# Altium PCB Goldstrike1_Rev01.PcbDoc (part 6 of 7) (continued)
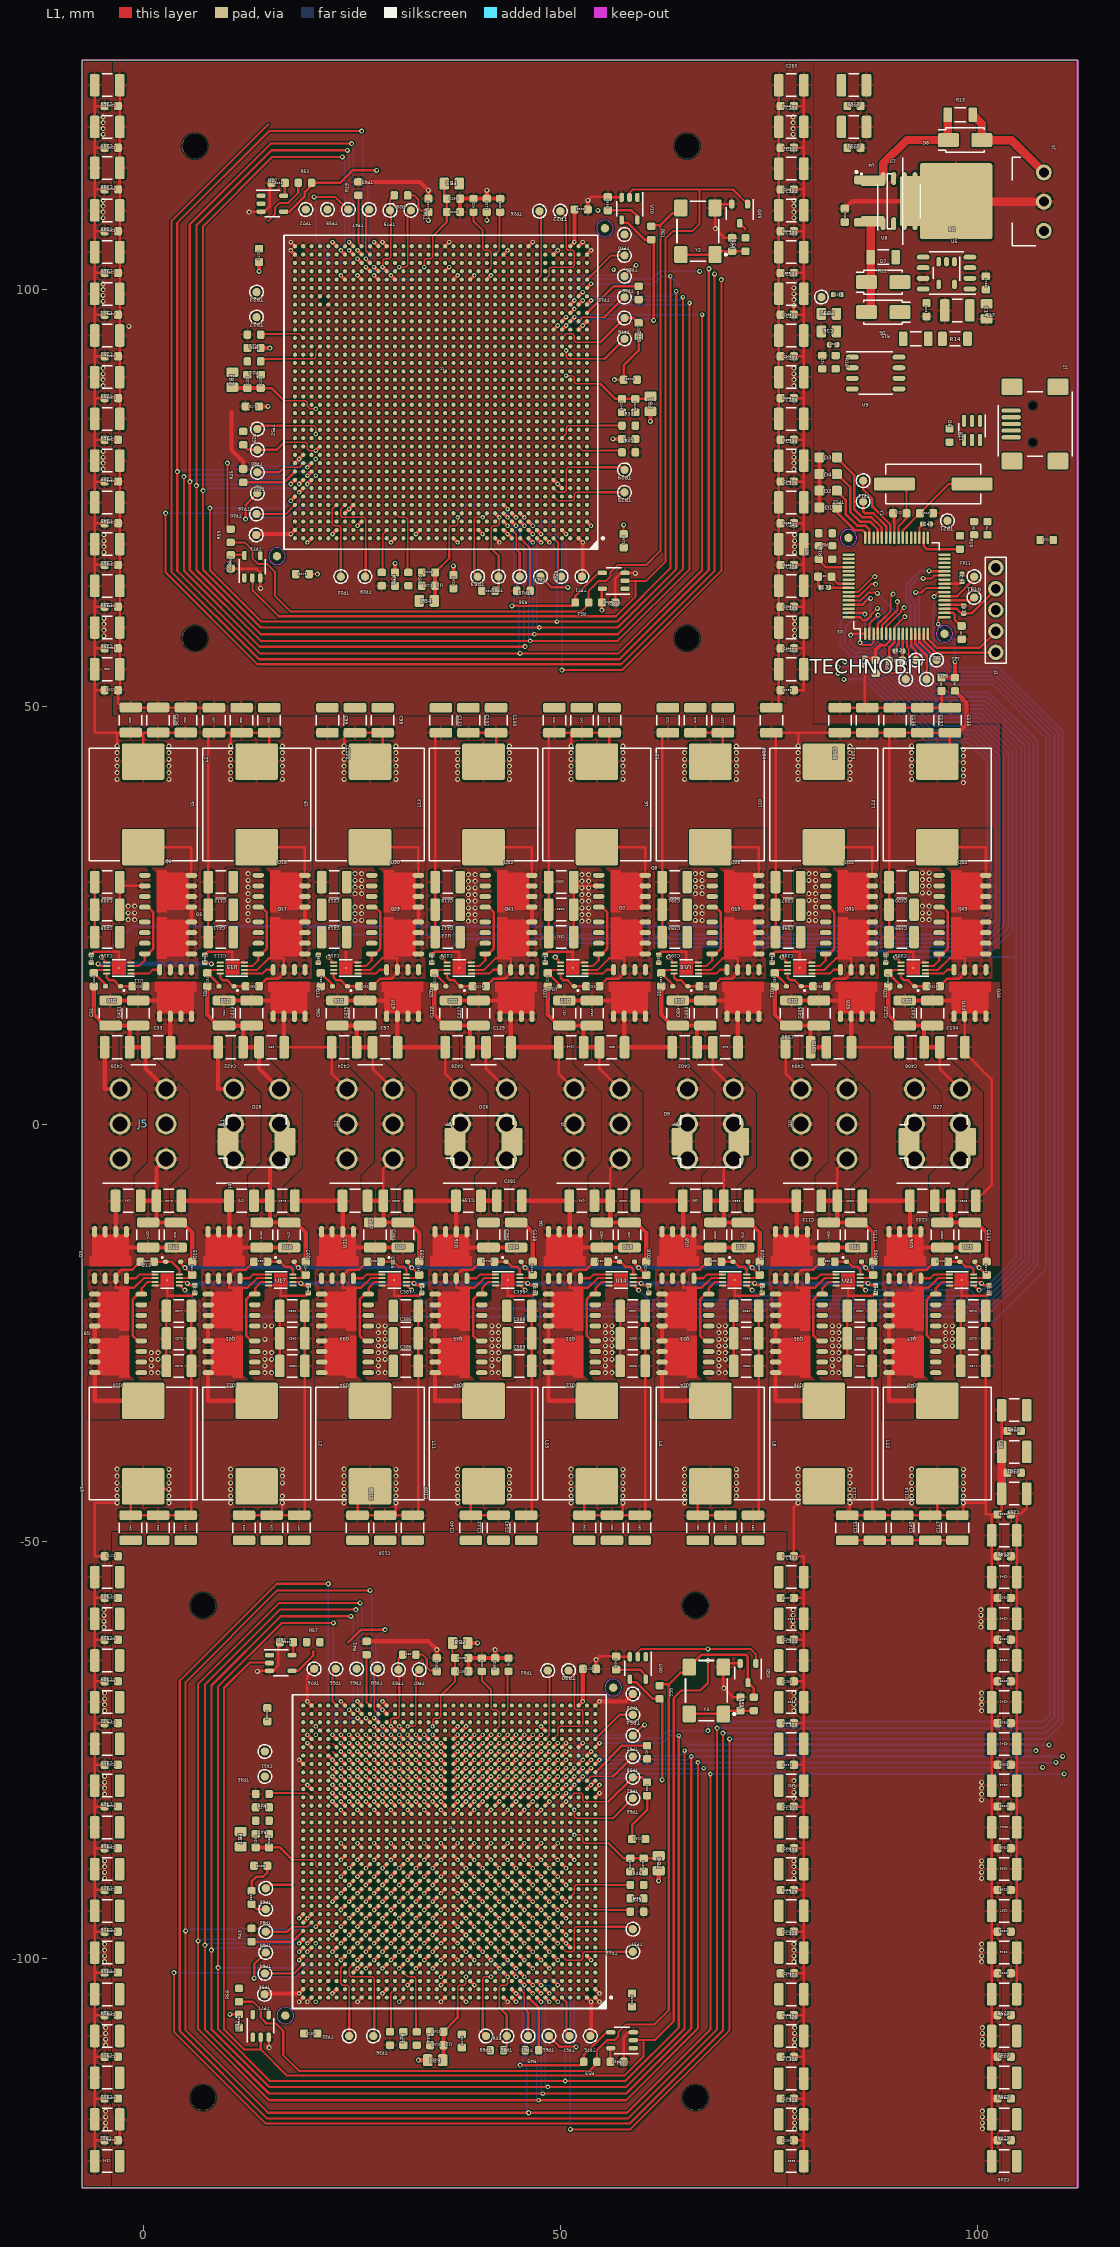
[diagram p0: L1 view]
## Nets (pads, with @x,y where several pads share a name; then routed paths per layer and width w, separated by ;. In a path a pad name is that pad's centre, name@x,y a point inside that pad or via, vN(x,y) a via of type N, cw(c..) or ccw(c..) an arc to the next point about the centre after c; other vN are vias at no path point) (continued)
  L1 w0.5: C20.1@-5.9,16.5 -5.9,13.1 -4.6,11.8 C421.1@-1.6,11.8 ; C421.1@-0.6,11.8 C421.1@-1.6,11.8 ; C43.1@-0.3,-9.2 C373.1@1.6,-9.2 ; C374.1@0.6,-11.8 C374.1@1.6,-11.8 ; J5.4@2.75,-4.2 1.6,-5.35 C373.1@1.6,-9.2 ; J5.6@2.75,4.2 0.3,6.65 C33.1@0.3,9.2 C420.1@-1.6,9.2 C421.1@-1.6,11.8 ; C22.1@5.9,-16.5 5.9,-13 4.7,-11.8 C42.1@3.9,-11.8 C374.1@1.6,-11.8 ; C52.1@7.7,16.5 7.7,13.1 ; 10.6,85.3 10.6,80.8 12,79.4 R25.2@12,78.5 ; C75.1@13.3,-9.2 C378.1@15.2,-9.2 ; C379.1@14.2,-11.8 C379.1@15.2,-11.8 ; J4.4@16.35,-4.219 15.2,-5.35 C378.1@15.2,-9.2 ; C54.1@19.5,-16.5 19.5,-13 18.3,-11.8 C74.1@17.5,-11.8 C379.1@15.2,-11.8 ; 22.6,11.781 23.3,11.8 23.3,11.781 C425.1@25.6,11.781 ; R19.2@25.8,112.9 33.2,112.9 v1(34.2,111.9) C170.1@34.2,110.9 ; C425.1@26.6,11.8 C425.1@25.6,11.781 ; R41.2@26.8,-62 34.2,-62 v1(35.2,-63) C182.1@35.2,-64 ; C107.1@26.9,-9.2 C383.1@28.8,-9.2 C384.1@28.8,-11.8 ; C97.1@27.5,9.2 C424.1@25.6,9.2 C425.1@25.6,11.781 ; C384.1@27.8,-11.8 C384.1@28.8,-11.8 ; C86.1@33.1,-16.5 33.1,-13 31.9,-11.8 C106.1@31.1,-11.8 C384.1@28.8,-11.8 ; C116.1@34.9,16.5 34.9,13.1 36.2,11.8 C427.1@39.2,11.8 ; C151.2@38,109.3 C150.2@38,110.9 C173.1@41.2,110.9 ; C159.2@39,-65.6 C158.2@39,-64 R23.2@40.6,-64 C185.1@42.2,-64 ; C427.1@40.2,11.8 C427.1@39.2,11.8 ; C139.1@40.5,-9.2 C391.1@42.4,-9.2 ; C129.1@41.1,9.2 C426.1@39.2,9.2 C427.1@39.2,11.8 ; v1(41.2,111.9) C173.1@41.2,110.9 ; v1(42.2,-63) C185.1@42.2,-64 ; R20.2@42.8,110.9 C173.1@41.2,110.9 ; R1.2@43.8,-64 C185.1@42.2,-64 ; C138.1@44.7,-11.8 45.5,-11.8 46.7,-13 C118.1@46.7,-16.5 ; C21.1@48.5,16.5 48.5,13.1 49.8,11.8 C349.1@52.8,11.8 ; C165.1@53.3,109.6 v1(53.3,110.7) ; C349.1@53.8,11.8 C349.1@52.8,11.8 ; C48.1@54.1,-9.2 C353.1@56,-9.2 C354.1@56,-11.8 ; C177.1@54.3,-65.3 v1(54.3,-64.2) ; C38.1@54.7,9.2 C348.1@52.8,9.2 C349.1@52.8,11.8 ; C354.1@55,-11.8 C354.1@56,-11.8 ; 57.8,-69.2 TP74.1@58.7,-68.3 ; C23.1@60.3,-16.5 60.3,-13 59.1,-11.8 C47.1@58.3,-11.8 C354.1@56,-11.8 ; C53.1@62.1,16.5 62.1,13.1 63.4,11.8 C403.1@66.4,11.8 ; C403.1@67.4,11.8 C403.1@66.4,11.8 ; C80.1@67.7,-9.2 C358.1@69.6,-9.2 C359.1@69.6,-11.8 ; C70.1@68.3,9.2 C402.1@66.4,9.2 C403.1@66.4,11.8 ; C359.1@68.6,-11.8 C359.1@69.6,-11.8 ; C55.1@73.9,-16.5 73.9,-13 72.7,-11.8 C79.1@71.9,-11.8 C359.1@69.6,-11.8 ; C85.1@75.7,16.5 75.7,13.1 77,11.8 C405.1@80,11.8 ; C405.1@81,11.8 C405.1@80,11.8 ; D1.1@81.05,73.9 D2.1@81.05,75.9 D4.1@81.05,77.9 D3.1@81.05,79.9 ; C112.1@81.3,-9.2 C363.1@83.2,-9.2 C364.1@83.2,-11.8 ; C102.1@81.9,9.2 C404.1@80,9.2 C405.1@80,11.8 ; C364.1@82.2,-11.8 C364.1@83.2,-11.8 ; C12.2@84.1,109.7 85,110.6 92.505,110.6 U8.4@93.95,110.6 ; C87.1@87.5,-16.5 87.5,-13 86.3,-11.8 C111.1@85.5,-11.8 C364.1@83.2,-11.8 ; C117.1@89.3,16.5 89.3,13.1 90.6,11.8 C407.1@93.6,11.8 ; C407.1@94.6,11.8 C407.1@93.6,11.8 ; C144.1@94.9,-9.2 C368.1@96.8,-9.2 C369.1@96.8,-11.8 ; C134.1@95.5,9.2 C406.1@93.6,9.2 C407.1@93.6,11.8 ; C369.1@95.8,-11.8 C369.1@96.8,-11.8 ; C119.1@101.1,-16.5 101.1,-13 99.9,-11.8 C143.1@99.1,-11.8 C369.1@96.8,-11.8 ; C374.1@1.6,-11.8 C373.1@1.6,-9.2 ; 7.7,13.1 7.7,13.081 9,11.781 C64.1@9.7,11.8 ; 7.7,13.1 9,11.8 C64.1@9.7,11.8 ; C64.1@9.7,11.8 9.7,11.781 C423.1@12,11.781 ; C64.1@9.7,11.8 C423.1@12,11.8 ; C422.1@12,9.2 C423.1@12,11.781 ; C422.1@12,9.2 12,9.181 C65.1@13.9,9.2 ; C422.1@12,9.2 C65.1@13.9,9.2 ; C423.1@12,11.781 C423.1@12,11.8 ; C423.1@12,11.781 C423.1@13,11.8 C423.1@12,11.8 ; 13.9,6.65 13.9,6.631 J4.6@16.35,4.181 13.9,6.65 ; 13.9,6.65 C65.1@13.9,9.2 ; C379.1@15.2,-11.8 C378.1@15.2,-9.2
  L1 w1: U7.4@97.45,110.6 97.506,110.544 J3.2@107.96,110.544
  other v1: 1,-29.8 1.8,-29.8 14.6,-29.8 15.4,-29.8 28.2,-29.8 29,-29.8 41.8,-29.8 42.6,-29.8 55.4,-29.8 56.2,-29.8 69,-29.8 69.8,-29.8 82.6,-29.8 83.4,-29.8 1,-29 14.6,-29 28.2,-29 41.8,-29 55.4,-29 69,-29 82.6,-29 1,-28.2 1.8,-28.2 14.6,-28.2 15.4,-28.2 28.2,-28.2 29,-28.2 41.8,-28.2 42.6,-28.2 55.4,-28.2 56.2,-28.2 69,-28.2 69.8,-28.2 82.6,-28.2 83.4,-28.2 1,-27.4 1.8,-27.4 14.6,-27.4 15.4,-27.4 28.2,-27.4 29,-27.4 41.8,-27.4 42.6,-27.4 55.4,-27.4 56.2,-27.4 69,-27.4 69.8,-27.4 82.6,-27.4 83.4,-27.4 28.2,-26.6 29,-26.6 41.8,-26.6 42.6,-26.6 55.4,-26.6 56.2,-26.6 69,-26.6 69.8,-26.6 82.6,-26.6 83.4,-26.6 96.2,-26.6 97,-26.6 14.6,-25.8 28.2,-25.8 29,-25.8 41.8,-25.8 42.6,-25.8 55.4,-25.8 56.2,-25.8 69,-25.8 69.8,-25.8 82.6,-25.8 83.4,-25.8 96.2,-25.8 97,-25.8 28.2,-25 29,-25 41.8,-25 42.6,-25 55.4,-25 56.2,-25 69,-25 69.8,-25 82.6,-25 83.4,-25 96.2,-25 97,-25 14.6,-24.2 15.4,-24.2 28.2,-24.2 29,-24.2 41.8,-24.2 42.6,-24.2 55.4,-24.2 56.2,-24.2 69,-24.2 69.8,-24.2 82.6,-24.2 83.4,-24.2 96.2,-24.2 97,-24.2 39,24.3 39.8,24.3 52.6,24.3 53.4,24.3 12.6,24.4 25.4,24.4 26.2,24.4 66.2,24.4 67,24.4 79.8,24.4 80.6,24.4 -1.8,24.5 -1,24.5 93.4,24.5 94.2,24.5 39,25.1 39.8,25.1 52.6,25.1 53.4,25.1 12.6,25.2 25.4,25.2 26.2,25.2 66.2,25.2 67,25.2 79.8,25.2 80.6,25.2 -1.8,25.3 -1,25.3 93.4,25.3 94.2,25.3 39,25.9 39.8,25.9 52.6,25.9 53.4,25.9 12.6,26 25.4,26 26.2,26 66.2,26 67,26 80.6,26 -1.8,26.1 -1,26.1 93.4,26.1 94.2,26.1 39,26.7 39.8,26.7 52.6,26.7 53.4,26.7 12.6,26.8 79.8,26.8 80.6,26.8 39,27.5 39.8,27.5 52.6,27.5 53.4,27.5 12.6,27.6 25.4,27.6 26.2,27.6 66.2,27.6 67,27.6 79.8,27.6 80.6,27.6 93.4,27.7 94.2,27.7 39,28.3 39.8,28.3 52.6,28.3 53.4,28.3 12.6,28.4 25.4,28.4 26.2,28.4 66.2,28.4 67,28.4 80.6,28.4 93.4,28.5 94.2,28.5 39,29.1 39.8,29.1 52.6,29.1 53.4,29.1 12.6,29.2 25.4,29.2 26.2,29.2 66.2,29.2 67,29.2 79.8,29.2 80.6,29.2 93.4,29.3 94.2,29.3 39,29.9 39.8,29.9 52.6,29.9 53.4,29.9 12.6,30 25.4,30 26.2,30 66.2,30 67,30 79.8,30 80.6,30 93.4,30.1 94.2,30.1 -1.7,95.6
  other v2: 20.7,-72.2
PLL_CFG_CLK: R26.1 U1.A8 U1.AJ1 U1.AT29 U1.H36 U2.A8 U2.AJ1 U2.AT29 U2.H36 U3.59 | length 615.3
  L1 w0.25: v1(24.5,116.7) 15.4,116.7 6.4,107.7 v1(6.4,76.5) 6.4,66.4 14.1,58.7 v2(46.9,58.7) 56.9,58.7 64.7,66.5 v2(64.7,99.1) ; v1(25.5,-58.2) 16.4,-58.2 7.4,-67.2 v1(7.4,-98.4) 7.4,-108.5 15.1,-116.2 v2(47.9,-116.2) 57.9,-116.2 65.7,-108.4 v2(65.7,-75.8) ; U3.59@84.55,63.25 85.8,63.25 87.25,64.7 v1(87.8,64.7)
  L1 w0.45: v2(17.7,76.7) U1.H36@18.2,77.2 ; v2(18.7,-98.2) U2.H36@19.2,-97.7 ; v2(24.7,105.7) U1.AT29@25.2,105.2 ; v2(25.7,-69.2) U2.AT29@26.2,-69.7 ; U1.A8@46.2,70.2 v2(46.7,69.7) ; U2.A8@47.2,-104.7 v2(47.7,-105.2) ; U1.AJ1@53.2,98.2 v2(53.7,98.7) ; U2.AJ1@54.2,-76.7 v2(54.7,-76.2)
  L3 w0.25: v1(87.8,64.7) 89.8,64.7 92.1,62.4 92.1,57.2 110.2,39.1 v1(110.2,-75.8)
  L4 w0.15: v1(6.4,76.5) 6.7,76.53 6.87,76.7 v2(17.7,76.7) ; v1(7.4,-98.4) 7.7,-98.37 7.87,-98.2 v2(18.7,-98.2) ; v1(24.5,116.7) 24.53,116.7 24.7,116.53 v2(24.7,105.7) ; v1(25.5,-58.2) 25.53,-58.2 25.7,-58.37 v2(25.7,-69.2) ; v2(46.7,69.7) 46.7,58.87 46.87,58.7 v2(46.9,58.7) ; v2(47.7,-105.2) 47.7,-116.03 47.87,-116.2 v2(47.9,-116.2) ; v2(53.7,98.7) 64.3,98.7 v2(64.7,99.1) ; v2(54.7,-76.2) 65.3,-76.2 v2(65.7,-75.8)
  L4 w0.25: v2(65.7,-75.8) v1(110.2,-75.8)
PLL_CFG_DAT: U1.AG3 U1.AP27 U1.C10 U1.K34 U2.AG3 U2.AP27 U2.C10 U2.K34 U3.58 | length 671.3
  L1 w0.25: v1(26.2,119) 15.1,119 4.1,108 v1(4.1,78.2) 4.1,66.3 14,56.4 v1(45.2,56.4) 57,56.4 67,66.4 v2(67,97) ; v1(27.2,-55.9) 16.1,-55.9 5.1,-66.9 v1(5.1,-96.7) 5.1,-108.6 15,-118.5 v1(46.2,-118.5) 58,-118.5 68,-108.5 v2(68,-77.9) ; U3.58@84.55,63.75 85.644,63.75 87.494,65.6 v1(87.7,65.6)
  L1 w0.45: v2(19.7,78.7) U1.K34@20.2,79.2 ; v2(20.7,-96.2) U2.K34@21.2,-95.7 ; v2(26.7,103.7) U1.AP27@27.2,103.2 ; v2(27.7,-71.2) U2.AP27@28.2,-71.7 ; U1.C10@44.2,72.2 v2(44.7,71.7) ; U2.C10@45.2,-102.7 v2(45.7,-103.2) ; U1.AG3@51.2,96.2 v2(51.7,96.7) ; U2.AG3@52.2,-78.7 v2(52.7,-78.2)
  L3 w0.25: v1(87.7,65.6) 89.7,65.6 92.7,62.6 92.7,57.4 96.35,53.75 110.9,39.2 110.9,-77.4 v1(110.4,-77.9)
  L4 w0.15: v1(4.1,78.2) 4.385,78.215 4.57,78.4 18.1,78.4 18.4,78.7 v2(19.7,78.7) ; v1(5.1,-96.7) 5.385,-96.685 5.57,-96.5 19.1,-96.5 19.4,-96.2 v2(20.7,-96.2) ; v1(26.2,119) 26.215,119.015 26.4,118.83 26.4,105.7 26.7,105.4 v2(26.7,103.7) ; v1(27.2,-55.9) 27.215,-55.885 27.4,-56.07 27.4,-69.2 27.7,-69.5 v2(27.7,-71.2) ; v2(44.7,71.7) 44.7,70 45,69.7 45,56.57 45.185,56.385 v1(45.2,56.4) ; v2(45.7,-103.2) 45.7,-104.9 46,-105.2 46,-118.33 46.185,-118.515 v1(46.2,-118.5) ; v2(51.7,96.7) 53.4,96.7 53.7,97 v2(67,97) ; v2(52.7,-78.2) 54.4,-78.2 54.7,-77.9 v2(68,-77.9)
  L4 w0.25: v2(68,-77.9) v1(110.4,-77.9)
PLL_REF_CLK_1: Q49.1 R7.2 R8.2 U10.2 U27.2 U28.2 U29.2 | length 120.6
  L1 w0.25: U28.2@13.1,65.45 13.1,64 16.25,60.85 56.65,60.85 59,63.2 59,65.1 ; U27.2@14.1,110.35 U27.2@14.15,110.3 ; U29.2@57.75,65.1 59,65.1 ; U10.2@58.3,111.05 58.3,111.6 58.7,112 66.7,112 ; Q49.1@72.45,110.25 70.7,112 66.7,112 ; 59,65.1 60.3,65.1 62.6,67.4 62.6,106.1 63.5,107 65.8,107 66.7,107.9 66.7,112
PLL_REF_CLK_2: Q50.1 R8.1 R18.2 U30.2 U31.2 U32.2 U33.2 | length 174.2
  L1 w0.25: U32.2@14.1,-109.45 14.1,-110.9 ; U31.2@15.15,-64.6 15.1,-64.55 12.75,-64.55 9.7,-67.6 9.7,-108.5 12.1,-110.9 14.1,-110.9 ; U33.2@58.75,-109.8 60,-109.8 ; U30.2@59.3,-63.85 59.3,-63.3 59.7,-62.9 v1(67.7,-62.9) 72.8,-62.9 73.45,-63.55 Q50.1@73.45,-64.65 ; v1(67.7,-64.3) 67.7,-67 66.8,-67.9 64.5,-67.9 63.6,-68.8 63.6,-107.5 61.3,-109.8 60,-109.8 ; 14.1,-110.9 17.25,-114.05 57.65,-114.05 60,-111.7 60,-109.8
  L4 w0.25: v1(67.7,-64.3) v1(67.7,-62.9)
PWM1H: U3.61 U12.5 U14.5 | length 253.6
  L1 w0.25: v1(49.4,20) 49.456,19.956 49.8,19.612 49.8,19.375 U12.5@50.05,19.375 ; U14.5@58.75,-19.375 58.9,-19.375 58.9,-19.5 v1(59.4,-19.9)
  L1 w0.3: U3.61@84.55,62.25 86.243,62.25 87.096,63.104 v1(87.2,63)
  L4 w0.25: v1(49.4,20) 51.1,21.7 101.1,21.7 103.2,23.8 103.2,44.3 99.8,47.7 94.8,47.7 86.5,56 84.9,56 83.6,57.3 83.6,60.3 86.3,63 v1(87.2,63) 87.2,59.361 95.861,50.7 101,50.7 106.2,45.5 106.2,-16.513 101.113,-21.6 99.2,-21.6 98.7,-21.1 60.6,-21.1 v1(59.4,-19.9)
PWM1L: U3.60 U11.5 U13.5 | length 353.7
  L1 w0.25: v1(-5,20) -4.944,19.956 -4.6,19.612 -4.6,19.375 U11.5@-4.35,19.375 ; U13.5@4.35,-19.375 4.5,-19.375 4.5,-19.5 v1(5,-19.9) ; U3.60@84.55,62.75 86,62.75 86.95,63.7 88,63.7 v1(88,63.6)
  L4 w0.25: v1(-5,20) -1.3,23.7 99.9,23.7 101.2,25 101.2,43.4 98.9,45.7 94,45.7 86.4,53.3 v1(84,53.3) ; v1(5,-19.9) 8.2,-23.1 97.3,-23.1 97.8,-23.6 102,-23.6 108.2,-17.4 108.2,46.3 101.8,52.7 96.412,52.7 90.6,58.512 90.6,61 v1(88,63.6)
PWM2H: U3.63 U16.5 U18.5 | length 220.6
  L1 w0.25: v1(63,20) 63.056,19.956 63.4,19.612 63.4,19.375 U16.5@63.65,19.375 ; U18.5@72.35,-19.375 72.5,-19.375 72.5,-19.5 v1(73,-19.9)
  L1 w0.3: U3.63@84.55,61.25 86.35,61.25 v1(86.5,61.1)
  L4 w0.25: v1(63,20) 64.2,21.2 101.4,21.2 103.7,23.5 103.7,44.5 100,48.2 95,48.2 86.7,56.5 85.2,56.5 84.1,57.6 84.1,59.5 85.7,61.1 v1(86.5,61.1) 86.5,59.424 95.724,50.2 100.8,50.2 105.7,45.3 105.7,-16.306 100.906,-21.1 99.5,-21.1 99,-20.6 73.7,-20.6 v1(73,-19.9)
PWM2L: U3.62 U15.5 | length 43.8
  L4 w0.25: v1(83.3,54) 86.4,54 94.2,46.2 99.2,46.2 101.7,43.7 101.7,24.7 100.2,23.2
PWM3H: U3.1 U20.5 U22.5 | length 187.8
  L1 w0.25: v1(76.6,20) 76.656,19.956 77,19.612 77,19.375 U20.5@77.25,19.375 ; U22.5@85.95,-19.375 86.1,-19.375 86.1,-19.5 v1(86.6,-19.9)
  L1 w0.3: v1(84.8,58.6) 84.95,58.75 U3.1@86.55,58.75
  L4 w0.25: v1(76.6,20) 77.3,20.7 101.7,20.7 104.2,23.2 104.2,44.7 100.2,48.7 95.2,48.7 86.9,57 85.5,57 84.8,57.7 v1(84.8,58.6) 86.65,58.6 95.512,49.738 100.562,49.738 105.2,45.1 105.2,-16.099 100.699,-20.6 99.778,-20.6 99.078,-19.9 v1(86.6,-19.9)
PWM3L: U3.64 U19.5 U21.5 | length 299.5
  L1 w0.25: v1(22.2,20) 22.256,19.956 22.6,19.612 22.6,19.375 U19.5@22.85,19.375 ; U21.5@31.55,-19.375 31.7,-19.375 31.7,-19.5 v1(32.2,-19.9)
  L1 w0.3: U3.64@84.55,60.75 85.9,60.75 86.25,60.4 86.719,60.4 87.2,60.881 87.2,61.022 87.989,61.811 v1(88,61.8)
  L4 w0.25: v1(22.2,20) 24.9,22.7 100.5,22.7 102.2,24.4 102.2,43.9 99.4,46.7 94.4,46.7 86.3,54.8 v1(83.3,54.8) ; v1(32.2,-19.9) 34.4,-22.1 98,-22.1 98.5,-22.6 101.527,-22.6 107.2,-16.927 107.2,45.9 101.4,51.7 96.135,51.7 89.1,58.735 89.1,61.125 88.525,61.7 88,61.7 v1(88,61.8)
PWM4H: U3.3 U24.5 U26.5 | length 110.5
  L1 w0.25: v1(85.9,57.7) 86.2,57.4 87.2,57.4 87.55,57.75 U3.3@87.55,58.75 ; v1(90.2,20) 90.256,19.956 90.6,19.612 90.6,19.375 U24.5@90.85,19.375 ; U26.5@99.55,-19.375 99.7,-19.375 99.7,-19.5 v1(100.2,-19.9)
  L4 w0.25: v1(85.9,57.7) 86.9,57.7 95.4,49.2 100.4,49.2 104.7,44.9 104.7,20 ; v1(90.2,20) 104.7,20 ; v1(100.2,-19.9) 100.2,-19.8 100.791,-19.8 103.95,-16.641 104.7,-15.891 104.7,20
PWM4L: U3.2 U23.5 U25.5 | length 269
  L1 w0.25: v1(35.8,20) 35.856,19.956 36.2,19.612 36.2,19.375 U23.5@36.45,19.375 ; U25.5@45.15,-19.375 45.3,-19.375 45.3,-19.5 v1(45.8,-19.9) ; U3.2@87.05,59.3 87.05,59.95 v1(88.1,61)
  L1 w0.3: U3.2@87.05,58.75 U3.2@87.05,59.3
  L4 w0.25: v1(35.8,20) 38,22.2 100.8,22.2 102.7,24.1 102.7,44.1 99.6,47.2 94.6,47.2 86.4,55.4 v1(84.1,55.4) ; v1(45.8,-19.9) 47.5,-21.6 98.4,-21.6 98.9,-22.1 101.32,-22.1 106.7,-16.72 106.7,45.7 101.2,51.2 95.998,51.2 88.1,59.098 v1(88.1,61)
RESET_COLD_L: R21.2 U1.AJ2 U1.AR29 U1.B8 U1.H35 U2.AJ2 U2.AR29 U2.B8 U2.H35 U3.8 | length 632.2
  L1 w0.25: v1(25,117.5) 15.3,117.5 5.6,107.8 v1(5.6,77) 5.6,66.4 14.1,57.9 v2(46.4,57.9) 56.9,57.9 65.5,66.5 v2(65.5,98.4) ; v1(26,-57.4) 16.3,-57.4 6.6,-67.1 v1(6.6,-97.9) 6.6,-108.5 15.1,-117 v2(47.4,-117) 57.9,-117 66.5,-108.4 v2(66.5,-76.5) ; U3.8@90.05,58.75 90.05,59.55 90.333,59.833 v1(91.3,60.8)
  L1 w0.3: R21.2@89.4,55.5 89.4,57.071 90.05,57.721 U3.8@90.05,58.75
  L1 w0.45: v2(18.7,76.7) U1.H35@19.2,77.2 ; v2(19.7,-98.2) U2.H35@20.2,-97.7 ; v2(24.7,104.7) U1.AR29@25.2,104.2 ; v2(25.7,-70.2) U2.AR29@26.2,-70.7 ; U1.B8@46.2,71.2 v2(46.7,70.7) ; U2.B8@47.2,-103.7 v2(47.7,-104.2) ; U1.AJ2@52.2,98.2 v2(52.7,98.7) ; U2.AJ2@53.2,-76.7 v2(53.7,-76.2)
  L3 w0.25: v1(91.3,60.8) 91.2,60.8 91.2,57.3 109.4,39.1 v1(109.4,-76.5)
  L4 w0.15: v1(5.6,77) 6.1,77.2 18.2,77.2 v2(18.7,76.7) ; v1(6.6,-97.9) 7.1,-97.7 19.2,-97.7 v2(19.7,-98.2) ; v2(24.7,104.7) 25.2,105.2 25.2,117.3 v1(25,117.5) ; v2(25.7,-70.2) 26.2,-69.7 26.2,-57.6 v1(26,-57.4) ; v2(46.4,57.9) 46.2,58.1 46.2,70.2 v2(46.7,70.7) ; v2(47.4,-117) 47.2,-116.8 47.2,-104.7 v2(47.7,-104.2) ; v2(52.7,98.7) 53.2,98.2 65.3,98.2 v2(65.5,98.4) ; v2(53.7,-76.2) 54.2,-76.7 66.3,-76.7 v2(66.5,-76.5)
  L4 w0.25: v2(66.5,-76.5) v1(109.4,-76.5)
SPI_RXD: U1.A6 U1.AL1 U1.AT31 U1.F36 U2.A6 U2.AL1 U2.AT31 U2.F36 U3.6 | length 525.9
  L1 w0.25: v1(8,73.8) 8,66.393 14.193,60.2 v2(49.6,60.2) 56.8,60.2 63.2,66.6 v2(63.2,101.6) ; v1(9,-101.1) 9,-108.507 15.193,-114.7 v2(50.6,-114.7) 57.8,-114.7 64.2,-108.3 v2(64.2,-73.3) ; v1(9,-101.1) 9,-67.4 16.6,-59.8 v1(22.8,-59.8) ; U3.6@89.05,58.75 89.05,59.587 90.863,61.4 90.863,61.563 v1(91.2,61.9)
  L1 w0.45: v2(17.7,74.7) U1.F36@18.2,75.2 ; v2(18.7,-100.2) U2.F36@19.2,-99.7 ; v2(22.7,105.7) U1.AT31@23.2,105.2 ; v2(23.7,-69.2) U2.AT31@24.2,-69.7 ; U1.A6@48.2,70.2 v2(48.7,69.7) ; U2.A6@49.2,-104.7 v2(49.7,-105.2) ; U1.AL1@53.2,100.2 v2(53.7,100.7) ; U2.AL1@54.2,-74.7 v2(54.7,-74.2)
  L3 w0.25: v1(91.2,61.9) 90.5,61.2 90.5,57.197 93.947,53.75 108.6,39.097 v1(108.6,-74.4)
  L4 w0.15: v1(8,73.8) 16.8,73.8 v2(17.7,74.7) ; v1(9,-101.1) 17.8,-101.1 v2(18.7,-100.2) ; v1(22.8,-59.8) 22.8,-68.3 v2(23.7,-69.2) ; v2(48.7,69.7) 49.6,68.8 v2(49.6,60.2) ; v2(49.7,-105.2) 50.6,-106.1 v2(50.6,-114.7) ; v2(53.7,100.7) 61.2,100.7 62.1,101.6 v2(63.2,101.6) ; v2(54.7,-74.2) 62.2,-74.2 63.1,-73.3 v2(64.2,-73.3)
  L4 w0.25: v2(63.2,101.6) 64.3,100.5 ; v2(64.2,-73.3) 65.3,-74.4 v1(108.6,-74.4)
SPI_SCLK_IN: U1.AK2 U1.AR30 U1.B7 U1.G35 U2.AK2 U2.AR30 U2.B7 U2.G35 U3.4 | length 606.6
  L1 w0.25: v1(23.9,115.9) 15.5,115.9 7.2,107.6 v1(7.2,75.9) 7.2,66.4 14.1,59.5 v2(47.5,59.5) 56.9,59.5 63.9,66.5 v2(63.9,99.8) ; v1(24.9,-59) 16.5,-59 8.2,-67.3 v1(8.2,-99) 8.2,-108.5 15.1,-115.4 v2(48.5,-115.4) 57.9,-115.4 64.9,-108.4 v2(64.9,-75.1) ; U3.4@88.05,58.75 88.05,59.9 88.497,60.347 89.6,61.45 89.6,63.2 v1(89.9,63.5)
  L1 w0.45: v2(18.7,75.7) U1.G35@19.2,76.2 ; v2(19.7,-99.2) U2.G35@20.2,-98.7 ; v2(23.7,104.7) U1.AR30@24.2,104.2 ; v2(24.7,-70.2) U2.AR30@25.2,-70.7 ; U1.B7@47.2,71.2 v2(47.7,70.7) ; U2.B7@48.2,-103.7 v2(48.7,-104.2) ; U1.AK2@52.2,99.2 v2(52.7,99.7) ; U2.AK2@53.2,-75.7 v2(53.7,-75.2)
  L3 w0.25: v1(89.9,63.5) 89.3,62.9 89.3,56.8 107,39.1 v1(107,-75.1)
  L4 w0.15: v1(7.2,75.9) 7.8,76.2 18.2,76.2 v2(18.7,75.7) ; v1(8.2,-99) 8.8,-98.7 19.2,-98.7 v2(19.7,-99.2) ; v2(23.7,104.7) 24.2,105.2 24.2,115.6 v1(23.9,115.9) ; v2(24.7,-70.2) 25.2,-69.7 25.2,-59.3 v1(24.9,-59) ; v2(47.5,59.5) 47.2,59.8 47.2,70.2 v2(47.7,70.7) ; v2(48.5,-115.4) 48.2,-115.1 48.2,-104.7 v2(48.7,-104.2) ; v2(52.7,99.7) 53.2,99.2 63.308,99.2 63.892,99.784 v2(63.9,99.8) ; v2(53.7,-75.2) 54.2,-75.7 64.308,-75.7 64.892,-75.116 v2(64.9,-75.1)
  L4 w0.25: v2(64.9,-75.1) v1(107,-75.1)
SPI_SS_IN_L_1: U1.AJ3 U3.32 | length 17.7
  L1 w0.45: U1.AJ3@51.2,98.2 v2(51.7,98.7)
  L4 w0.15: v2(51.7,98.7) 51.7,99.7 53.3,101.3 61,101.3 61.9,102.2 v1(66.7,102.2)
SPI_SS_IN_L_2: U1.AP29 U3.31 | length 167.7
  L1 w0.25: 15.022,119.8 3.4,108.178 3.4,66.2 13.9,55.7 57.1,55.7 67.8,66.4 v1(67.8,102.5)
SPI_SS_IN_L_3: U1.H34 U3.30 | length 137.4
  L1 w0.25: v1(2.7,73.2) 2.7,66.1 13.7,55.1 57.3,55.1 68.5,66.3 v1(68.5,101.9)
  L1 w0.45: v2(19.7,76.7) U1.H34@20.2,77.2
  L4 w0.15: v1(2.7,73.2) 17.2,73.2 19.7,75.7 v2(19.7,76.7)
SPI_SS_IN_L_4: U1.C8 U3.29 | length 79
  L1 w0.25: v1(50.2,54.4) 57.4,54.4 69.3,66.3 v1(69.3,101.2)
  L1 w0.45: U1.C8@46.2,72.2 v2(46.7,71.7)
  L4 w0.15: v2(46.7,71.7) 47.7,71.7 50.2,69.2 v1(50.2,54.4)
SPI_SS_IN_L_5: U2.AJ3 U3.28 | length 211
  L1 w0.25: v1(94.2,66.3) 94.3,66.25 U3.28@96.05,66.25
  L1 w0.45: U2.AJ3@52.2,-76.7 v2(52.7,-76.2)
  L4 w0.15: v2(52.7,-76.2) 52.7,-75.2 54.3,-73.6 62,-73.6 62.9,-72.7 v1(67.7,-72.7)
  L4 w0.25: v1(67.7,-72.7) 67.7,-71.9 68,-71.6 107.9,-71.6 108.7,-70.8 108.7,46.5 102.012,53.188 96.564,53.188 92,57.752 92,62.174 91.5,62.674 91.5,64.661 93.143,66.304 94.196,66.304 v1(94.2,66.3)
SPI_SS_IN_L_6: U2.AP29 U3.27 | length 384.2
  L1 w0.25: v1(22.2,-55.1) 16.022,-55.1 4.4,-66.722 4.4,-108.7 14.9,-119.2 58.1,-119.2 68.8,-108.5 v1(68.8,-72.4) ; v1(93.5,65.4) 94.5,65.4 94.85,65.75 U3.27@96.05,65.75
  L1 w0.45: v2(25.7,-71.2) U2.AP29@26.2,-71.7
  L4 w0.15: v1(22.2,-55.1) 22.2,-68.7 24.7,-71.2 v2(25.7,-71.2)
  L4 w0.25: v1(68.8,-72.4) 107.9,-72.4 109.2,-71.1 109.2,46.7 102.2,53.7 96.697,53.7 92.5,57.897 92.5,62.5 91.975,63.025 91.975,64.5 92.875,65.4 v1(93.5,65.4)
SPI_SS_IN_L_7: U2.H34 U3.24 | length 326.8
  L1 w0.25: v1(3.7,-101.7) 3.7,-108.8 14.7,-119.8 58.3,-119.8 69.5,-108.6 v1(69.5,-73) ; v1(92.6,63.7) 93.3,63.7 93.85,64.25 U3.24@96.05,64.25
  L4 w0.15: v1(3.7,-101.7) 18.2,-101.7 20.7,-99.2 v2(20.7,-98.2)
  L4 w0.25: v1(69.5,-73) 108.2,-73 109.7,-71.5 109.7,46.9 102.4,54.2 96.778,54.2 93,57.978 93,63.3 v1(92.6,63.7)
SPI_SS_IN_L_8: U2.C8 U3.23 | length 266
  L1 w0.25: v1(51.2,-120.5) 58.4,-120.5 70.3,-108.6 v1(70.3,-73.7) ; v1(94.8,63.2) 94.8,63.272 95.278,63.75 U3.23@96.05,63.75
  L1 w0.45: U2.C8@47.2,-102.7 v2(47.7,-103.2)
  L4 w0.15: v2(47.7,-103.2) 48.7,-103.2 51.2,-105.7 v1(51.2,-120.5)
  L4 w0.25: v1(70.3,-73.7) 108.3,-73.7 110.2,-71.8 110.2,47.1 102.6,54.7 96.929,54.7 94.7,56.93 94.7,61.362 94.8,61.462 v1(94.8,63.2)
SPI_TXD: U1.D9 U1.J33 U2.AH4 U3.5 | length 298
  L1 w0.25: v1(4.9,77.6) 4.9,66.3 14,57.2 v1(45.8,57.2) ; U3.5@88.55,58.75 88.55,59.75 90.4,61.6 v1(90.4,62.6)
  L1 w0.45: U1.D9@45.2,73.2 v2(45.7,72.7) ; U2.AH4@51.2,-77.7 v2(51.7,-77.2)
  L3 w0.25: v1(90.4,62.6) 90.4,61.976 89.9,61.476 89.9,56.999 107.8,39.099 v1(107.8,-77.1)
  L4 w0.15: v1(4.9,77.6) 5.4,77.8 18,77.8 18.4,78.2 20.2,78.2 v2(20.7,77.7) ; v2(45.7,72.7) 45.2,72.2 45.2,70.2 45.6,69.8 45.6,57.4 v1(45.8,57.2) ; v2(51.7,-77.2) 52.2,-77.7 54.2,-77.7 54.6,-77.3 67,-77.3 v2(67.2,-77.2)
  L4 w0.25: v2(67.2,-77.2) v1(107.8,-77.1)